# Altium PCB Prototipo1.PcbDoc
Units mm, origin at the board's own origin, x right, y up, seen from the top; angles counter-clockwise.
Board outline 148.59 x 76.2 mm, 2 copper layers (Top Layer, Bottom Layer); 70 components, 159 nets, 376 pads, 0 vias.
Unrouted connection lines stored in the file: 131.
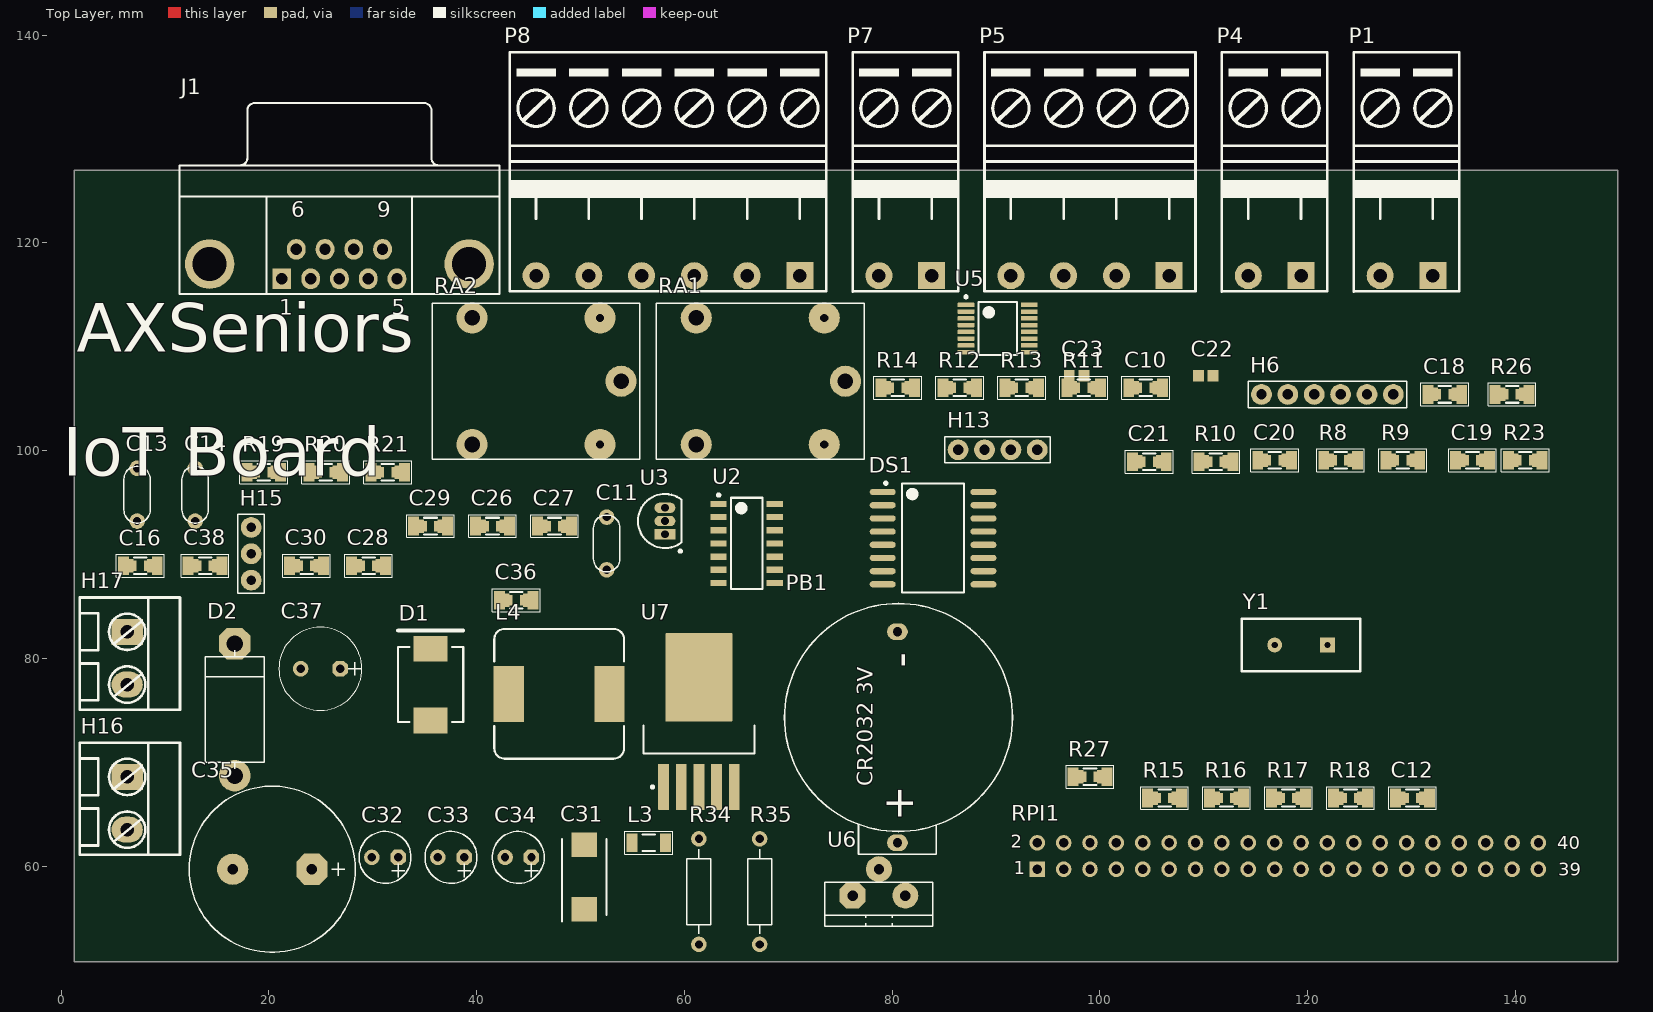
[diagram p0: Top Layer view]
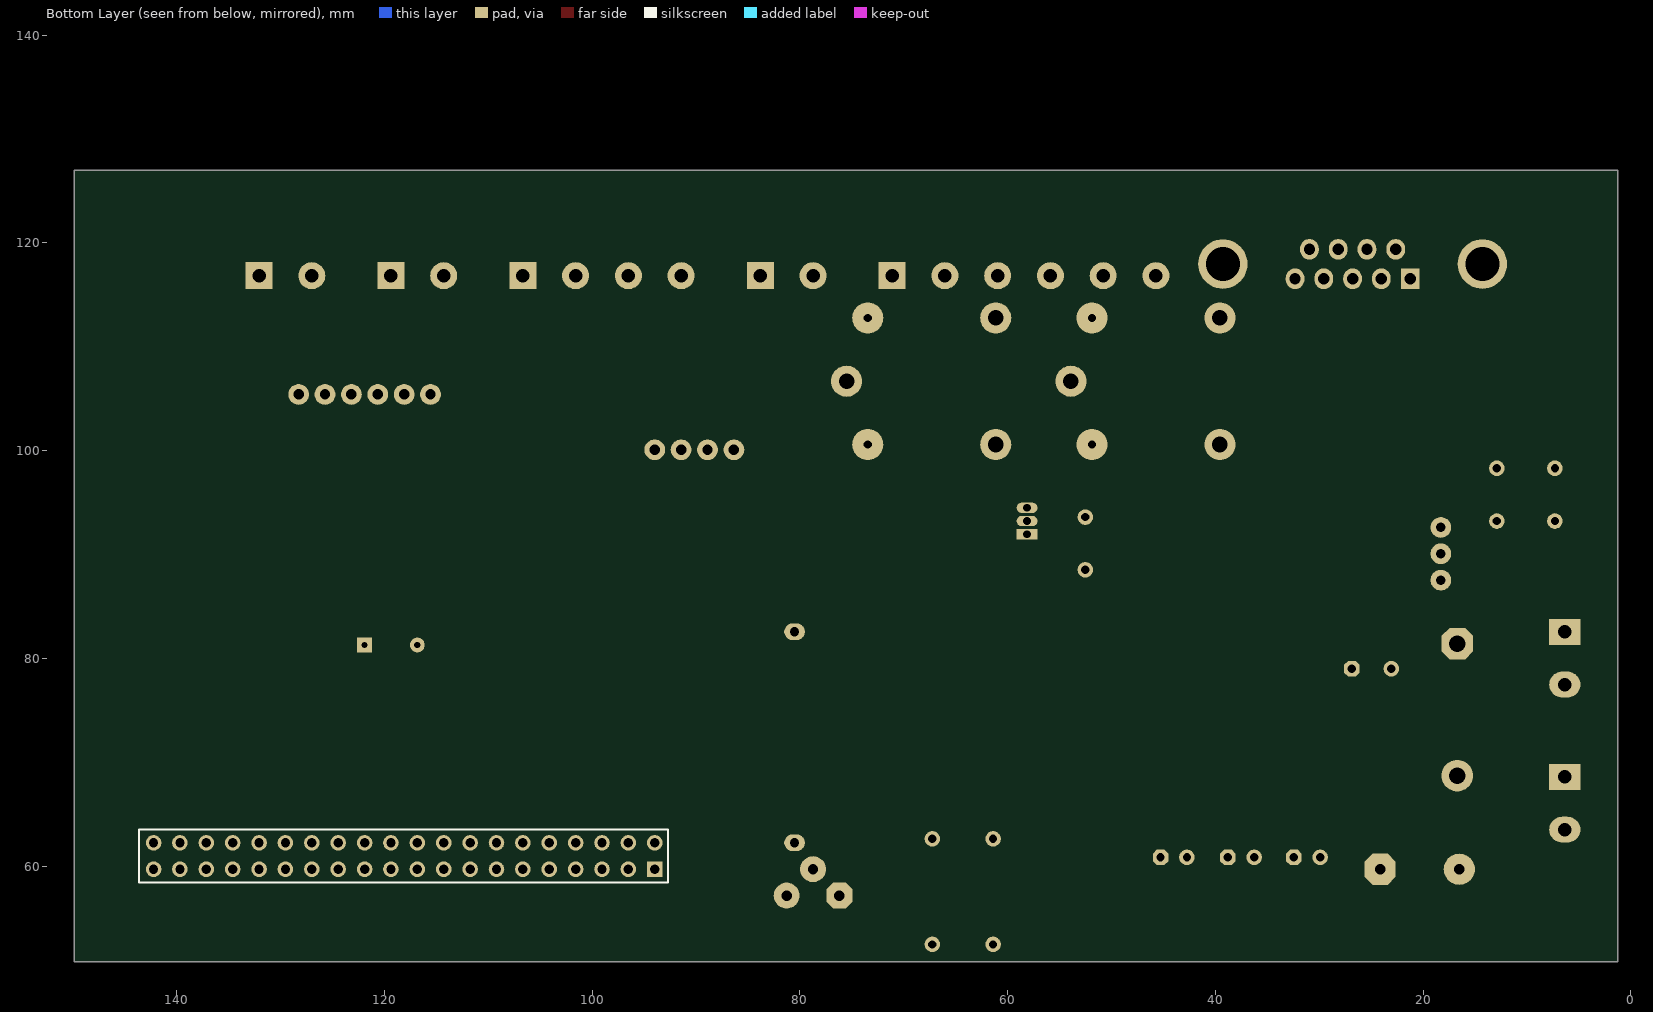
[diagram p1: Bottom Layer view, seen from below]

## Layer stack, top to bottom
Top Solder: solder mask 0.0102, Solder Resist, Dk 3.5
Top Layer: signal copper 0.0356
Dielectric 1: dielectric 0.32, FR-4, Dk 4.8
Bottom Layer: signal copper 0.0356
Bottom Solder: solder mask 0.0102, Solder Resist, Dk 3.5

## Board outline
1.27,50.8 1.27,127 149.86,127 149.86,50.8

## Design rules (kind name [scope] priority, off if disabled: settings)
Clearance "Schematic Clearance Constraint" [InNet('+5RPI')] p1: gap=0.3 ignorepadtopadclearanceinfootprint=FALSE
Clearance [All] p2: gap=0.254 ignorepadtopadclearanceinfootprint=FALSE except(0: Arc-Hole Track-Hole SMDPad-Hole THPad-Hole Via-Hole Fill-Hole Poly-Hole Region-Hole Text-Hole)
PolygonConnect [All] p1: connectstyle=Relief reliefconductorwidth=0.254 reliefentries=4 polygonreliefangle="90 Angle" airgapwidth=0.254
RoomDefinition PowerSupply [InComponentClass('PowerSupply')] p1: confinementstyle=ConfineIn formatcopy=TRUE lockcomponents=FALSE outline 0,53.34 56.642,53.34 56.642,89.535 0,89.535
RoomDefinition MAX3232 [InComponentClass('MAX3232')] p2: confinementstyle=ConfineIn formatcopy=TRUE lockcomponents=FALSE outline 3.744,107.465 81.341,107.465 81.341,141.501 3.744,141.501
RoomDefinition uController [InComponentClass('uController')] p3: confinementstyle=ConfineIn formatcopy=TRUE lockcomponents=FALSE outline 91.948,80.391 161.29,80.391 161.29,119.253 91.948,119.253
RoomDefinition SensorTemperatura [InComponentClass('SensorTemperatura')] p4: confinementstyle=ConfineIn formatcopy=TRUE lockcomponents=FALSE outline 37.622,88.9 89.057,88.9 89.057,101.219 37.622,101.219
RoutingVias [All] p1: holewidth=0.711 width=1.27 viastyle="Through Hole" minholewidth=0.711 minwidth=1.27 maxholewidth=0.711 maxwidth=1.27
SolderMaskExpansion [All] p1: expansion=0.102
Width "Schematic Width Constraint_1" [InNet('+5RPI')] p1: maxlimit=3 minlimit=0.254 preferedwidth=2
Width "Schematic Width Constraint" [InNet('+12')] p2: maxlimit=2 minlimit=0.254 preferedwidth=1
Width [All] p3: maxlimit=0.254 minlimit=0.254 preferedwidth=0.254
30 further rules are at their usual default settings.

## Classes and differential pairs
component class Relay: P8 RA1 RA2
component class PowerSupply: C31 C32 C33 C34 C35 C36 C37 C38 D1 D2 H16 H17 L3 L4 R34 R35 U6 U7
component class MAX3232: C26 C27 C28 C29 C30 H13 H15 J1 U5
component class uController: C23 DS1 H6 P7 PB1 R26 R27 RPI1 Y1
component class SensorTemperatura: C23 R23 U2 U3
component class Sensores: C23 P1 P4 R23

## Components (designator, comment, footprint, x,y, rotation, side; value= is the part's Value field where it differs from the comment)
C10 "0.1uF" SMD_CHIP_CAP_CER_0603_TO_1206 104.42,106.045 r0 top value=0603_1206
C11 "68nF" Cap-Disk-D5.5-R5.08 52.515,91.059 r90 top
C12 "68nF" SMD_CHIP_CAP_CER_0603_TO_1206 130.112,66.548 r0 top value=0603_1206
C13 "390nF" Cap-Disk-D5.5-R5.08 7.303,95.758 r90 top
C14 "180nF" Cap-Disk-D5.5-R5.08 12.891,95.758 r90 top
C16 "180nF" SMD_CHIP_CAP_CER_0603_TO_1206 7.62,88.9 r0 top value=0603_1206
C18 "0.1uF" SMD_CHIP_CAP_CER_0603_TO_1206 133.23,105.41 r0 top value=0603_1206
C19 "0.1uF" SMD_CHIP_CAP_CER_0603_TO_1206 135.89,99.06 r0 top value=0603_1206
C20 "0.1uF" SMD_CHIP_CAP_CER_0603_TO_1206 116.84,99.06 r0 top value=0603_1206
C21 "0.1uF" SMD_CHIP_CAP_CER_0603_TO_1206 104.775,98.933 r0 top value=0603_1206
C22 "VJ0603A150FXACW1BC" CAPC1608X95X40ML15T15 110.212,107.188 r0 top
C23 "VJ0603A150FXACW1BC" CAPC1608X95X40ML15T15 97.766,107.188 r0 top
C26 "0.1uF" SMD_CHIP_CAP_CER_0603_TO_1206 41.527,92.733 r0 top value=0603_1206
C27 "0.1uF" SMD_CHIP_CAP_CER_0603_TO_1206 47.496,92.733 r0 top value=0603_1206
C28 "0.1uF" SMD_CHIP_CAP_CER_0603_TO_1206 29.589,88.923 r0 top value=0603_1206
C29 "0.1uF" SMD_CHIP_CAP_CER_0603_TO_1206 35.558,92.733 r0 top value=0603_1206
C30 "0.1uF" SMD_CHIP_CAP_CER_0603_TO_1206 23.62,88.923 r0 top value=0603_1206
C31 "470uF/10V Tant." SMD_2917 50.355,58.928 r90 top
C32 "10u" El-d5-h11-F2.54 31.178,60.833 r0 top
C33 "10u" El-d5-h11-F2.54 37.529,60.833 r0 top
C34 "1u" El-d5-h11-F2.54 44.005,60.833 r0 top
C35 "220u/25V" El-d16-h26-F7.62 20.32,59.69 r0 top
C36 "0.022uF" SMD_CHIP_CAP_CER_0603_TO_1206 43.815,85.598 r0 top value=0603_1206
C37 "470uF 35V" El-d8-h14-F3.81 24.956,78.994 r0 top
C38 "0.22uF" SMD_CHIP_CAP_CER_0603_TO_1206 13.85,88.9 r0 top value=0603_1206
D1 "B550C-13-F" DIOD-SMC-2-A_V 35.56,77.47 r90 top
D2 "SR560" DO-201-500 16.701,75.057 r90 top
DS1 "DS3231 16-SOIC" SOIC127P1030X265-16N 83.947,91.567 r0 top
H6 "H-1x6" J1x6 121.92,105.41 r0 top
H13 "H-1x4" J1x4 90.17,100.076 r180 top
H15 "H-1x3" J1x3 18.286,90.066 r90 top
H16 "MKDS 1,5 2-5,08" "MKDS 1,5 2-5,08" 6.35,68.58 r0 top
H17 "MKDS 1,5 2-5,08" "MKDS 1,5 2-5,08" 6.35,82.55 r0 top
J1 "D Connector 9" DB9-HEMBRA 26.785,127.46 r0 top
L3 "FB 1206 600 ohms 100MHZ 600R 1.5A" SMD_CHIP_FERRITE_1206 56.578,62.23 r0 top value=1206
L4 "33uH 3.2A 1280" BOUR-SRR1280-2_V 47.943,76.581 r0 top
P1 "B.desmont.2Pins" KF2EDGV/R-2P 132.08,116.84 r180 top
P4 "B.desmont.2Pins" KF2EDGV/R-2P 119.38,116.84 r180 top
P5 "RTD PT100" KF2EDGV/R-4P 106.68,116.84 r180 top
P7 "B.desmont.2Pins" KF2EDGV/R-2P 83.82,116.84 r180 top
P8 "Header 6" KF2EDGV/R-6P 71.12,116.84 r180 top
PB1 "CR2032_Holder" CR2032 80.518,72.898 r90 top
R8 "25K" SMD_CHIP_RESISTOR_0603_TO_1206 123.19,99.06 r0 top value=0603_1206
R9 "25K" SMD_CHIP_RESISTOR_0603_TO_1206 129.185,99.06 r0 top value=0603_1206
R10 "25K" SMD_CHIP_RESISTOR_0603_TO_1206 111.188,98.933 r0 top value=0603_1206
R11 "2.5K" SMD_CHIP_RESISTOR_0603_TO_1206 98.451,106.045 r0 top value=0603_1206
R12 "25K" SMD_CHIP_RESISTOR_0603_TO_1206 86.513,106.045 r0 top value=0603_1206
R13 "25K" SMD_CHIP_RESISTOR_0603_TO_1206 92.482,106.045 r0 top value=0603_1206
R14 "1K" SMD_CHIP_RESISTOR_0603_TO_1206 80.544,106.045 r0 top value=0603_1206
R15 "100K" SMD_CHIP_RESISTOR_0603_TO_1206 106.236,66.548 r0 top value=0603_1206
R16 "100K" SMD_CHIP_RESISTOR_0603_TO_1206 112.205,66.548 r0 top value=0603_1206
R17 "17.4K" SMD_CHIP_RESISTOR_0603_TO_1206 118.174,66.548 r0 top value=0603_1206
R18 "107K" SMD_CHIP_RESISTOR_0603_TO_1206 124.143,66.548 r0 top value=0603_1206
R19 "49.9K" SMD_CHIP_RESISTOR_0603_TO_1206 19.495,97.917 r0 top value=0603_1206
R20 "3.09K" SMD_CHIP_RESISTOR_0603_TO_1206 25.464,97.917 r0 top value=0603_1206
R21 "20K" SMD_CHIP_RESISTOR_0603_TO_1206 31.433,97.917 r0 top value=0603_1206
R23 "100 Ohm" SMD_CHIP_RESISTOR_0603_TO_1206 140.97,99.06 r0 top value=0603_1206
R26 "2.2K" SMD_CHIP_RESISTOR_0603_TO_1206 139.7,105.41 r0 top value=0603_1206
R27 "10K" SMD_CHIP_RESISTOR_0603_TO_1206 99.06,68.58 r0 top value=0603_1206
R34 "1 Ohm" R0.25-400 61.404,57.531 r90 top
R35 "1 Ohm" R0.25-400 67.246,57.531 r90 top
RA1 "RAS" "Rele RAS" 67.31,106.68 r180 top
RA2 "RAS" "Rele RAS" 45.72,106.68 r180 top
RPI1 "RPI GPIO Connector" rpi 118.11,60.96 r180 top
U2 "LMV324IDR" D0014A_V 66.007,91.059 r0 top
U3 "LM385Z-2.5/NOPB" Z03A 58.133,93.218 r0 top
U5 "MAX3232CSE+" PW0016A_M 90.17,111.76 r0 top
U6 "7805" "TO220-1A 2.54" 78.74,57.15 r180 top
U7 "LM2596S-5.0/NOPB" KTT0005B_M 61.405,73.914 r90 top
Y1 "CRYSTAL_PTH_16MHz" "Crystal PTH HC49LT, THT, 16MHz" 121.92,81.28 r180 top

## Footprints (in the part's own frame and the unit in brackets; to place one, negate y for a bottom-side part, rotate by r counter-clockwise, add the part's x,y. Pads: shape width x height; smd on the part's side, far side on the other; paste and mask are expansions set on the pad)
BOUR-SRR1280-2_V [mm] "SMD, 2-Leads, Body 12.5x12.5mm"
  rect 2.9x5.4 smd: 1(-4.85,0) 2(4.85,0)
  silkscreen extent -6.25,-6.25 6.25,6.25, body extent -6.25,-6.25 6.25,6.25, height 7.51
Cap-Disk-D5.5-R5.08 [mm]
  round 1.5 hole 0.8: 1(-2.54,0) 2(2.54,0)
  silkscreen extent -2.73,-1.27 2.73,1.27, body extent -2.73,-1.27 2.73,1.27, height 7.62
CAPC1608X95X40ML15T15 [mm] "Chip Capacitor, 2-Leads, Body 1.60x0.80mm, IPC Low Density"
  rect 1.05x1.1 smd: 1(-0.7,0) 2(0.7,0)
  body extent -0.88,-0.48 0.87,0.47, height 0.95
CR2032 [mm] "Zocket"
  oval 1.6x2 hole 0.9: 1(-10.66,0) 2(9.66,0)
  silkscreen extent -11.75,-11.08 12.38,10.88, body extent -11.6,-11 12.9,11, height 8.51
"Crystal PTH HC49LT, THT, 16MHz" [mil] "Low profile TH"
  rect 56x56 hole 23.62: 1(0,0)
  round 56 hole 23.62: 2(200,0)
  silkscreen extent -125,-100 325,100, body extent -121,-92 326,92, height 142
D0014A_V [mm] "SOIC, 14-Leads, Body 8.75x4mm, Pitch 1.27mm"
  rect 1.55x0.6 smd: 1(-2.7,3.81) 2(-2.7,2.54) 3(-2.7,1.27) 4(-2.7,0) 5(-2.7,-1.27) 6(-2.7,-2.54) 7(-2.7,-3.81) 8(2.7,-3.81) 9(2.7,-2.54) 10(2.7,-1.27) 11(2.7,0) 12(2.7,1.27) 13(2.7,2.54) 14(2.7,3.81)
  silkscreen extent -2.82,-4.4 1.53,4.78, body extent -3,-4.4 3,4.4, height 1.75
DB9-HEMBRA [mm] "Connector; D Subminiature; 9 Position; Right Angle; Pitch 1.385 mm"
  rect 1.8x2 hole 1.09: 1(-5.54,-10.92)
  oval 1.8x2 hole 1.09: 2(-2.77,-10.92) 3(0,-10.92) 4(2.77,-10.92) 5(5.54,-10.92) 6(-4.155,-8.08) 7(-1.385,-8.08) 8(1.385,-8.08) 9(4.155,-8.08)
  round 4.76 hole 3.26: 10(-12.495,-9.5) 11(12.495,-9.5)
  silkscreen extent -15.4,-12.4 15.4,6, body extent -15.44,-12.32 15.37,5.98, height 12.29
DIOD-SMC-2-A_V [mm] "Molded Diode, 2-Leads, Body 7.11 x 6.22 mm"
  rect 2.5x3.3 smd: 1(-3.45,0) 2(3.45,0)
  silkscreen extent -3.6,-3.15 5.2,3.15, body extent -3.77,-3.11 3.77,3.11, height 2.5
DO-201-500 [mil]
  round 120 hole 62: 1(-250,0)
  oct 120x120 hole 62: 2(250,0)
  silkscreen extent -225,-111 225,111, body extent -276,-111 276,111, height 229
El-d5-h11-F2.54 [mm]
  oct 1.5x1.5 hole 0.8: 1(1.27,0)
  round 1.5 hole 0.8: 2(-1.27,0)
  silkscreen extent -2.5,-2.5 2.5,2.5, body extent -2.5,-2.5 2.55,2.55, height 11.53
El-d8-h14-F3.81 [mm]
  oct 1.5x1.5 hole 0.8: 1(1.905,0)
  round 1.5 hole 0.8: 2(-1.905,0)
  silkscreen extent -4,-4 4,4, body extent -4,-4 4.05,4.05, height 14.53
El-d16-h26-F7.62 [mm]
  oct 3x3 hole 1: 1(3.81,0)
  round 3 hole 1: 2(-3.81,0)
  silkscreen extent -8,-8 8,8, body extent -8,-7.98 8.08,7.97, height 26.58
J1x3 [mm]
  round 2 hole 0.9: 1(-2.54,0) 2(0,0) 3(2.54,0)
  silkscreen extent -3.81,-1.27 3.81,1.27, body extent -3.81,-1.27 3.81,1.27, height 10.1
J1x4 [mm]
  round 2 hole 1: 1(-3.81,0) 2(-1.27,0) 3(1.27,0) 4(3.81,0)
  silkscreen extent -5.08,-1.27 5.08,1.27, body extent -5.08,-1.27 5.08,1.27, height 10.1
J1x6 [mm]
  round 2 hole 1: 1(-6.35,0) 2(-3.81,0) 3(-1.27,0) 4(1.27,0) 5(3.81,0) 6(6.35,0)
  silkscreen extent -7.62,-1.27 7.62,1.27, body extent -7.62,-1.27 7.62,1.27, height 10.1
KF2EDGV/R-2P [mm]
  rect 2.6x2.6 hole 1.3: 1(0,0)
  round 2.6 hole 1.3: 2(5.08,0)
  silkscreen extent -2.63,-21.5 7.62,1.52, body extent -3.29,-21.59 8.37,-2.39, height 15.01
KF2EDGV/R-4P [mm]
  rect 2.6x2.6 hole 1.3: 1(0,0)
  round 2.6 hole 1.3: 2(5.08,0) 3(10.16,0) 4(15.24,0)
  silkscreen extent -2.63,-21.5 17.87,1.5, body extent -3.29,-21.59 18.53,-2.39, height 15.01
KF2EDGV/R-6P [mm]
  rect 2.6x2.6 hole 1.3: 1(0,0)
  round 2.6 hole 1.3: 2(5.08,0) 3(10.16,0) 4(15.24,0) 5(20.32,0) 6(25.4,0)
  silkscreen extent -2.63,-21.5 27.94,1.5, body extent -3.29,-21.59 28.69,-2.39, height 15.01
KTT0005B_M [mm] "DPAK, 5-Leads, Body 10.65x9.65mm, Pitch 1.7mm, IPC Low Density"
  rrect10% 4.45x1.05 smd: 1(-6.3,3.4) 2(-6.3,1.7) 3(-6.3,0) 4(-6.3,-1.7) 5(-6.3,-3.4)
  rrect2% 8.5x6.45 smd: 6(4.25,0)
  silkscreen extent -6.42,-5.35 -0.4,5.35, body extent -3.1,-5.32 6.55,5.33, height 4.83
"MKDS 1,5 2-5,08" [mm] "PCB terminal block, nominal current: 17.5 A, nom. voltage: 400 V, pitch: 5.08 mm"
  rect 3x2.5 hole 1.3: 1(0,0)
  oval 3x2.5 hole 1.3: 2(0,-5.08)
  silkscreen extent -4.57,-7.49 5.08,3.3, body extent -4.6,-7.62 5.2,3.28, height 14.21
PW0016A_M [mm] "SOP, 16-Leads, Body 5.1x4.5mm, Pitch 0.65mm, IPC Low Density"
  rrect22% 1.6x0.45 smd: 1(-3.05,2.275) 2(-3.05,1.625) 3(-3.05,0.975) 4(-3.05,0.325) 5(-3.05,-0.325) 6(-3.05,-0.975) 7(-3.05,-1.625) 8(-3.05,-2.275) 9(3.05,-2.275) 10(3.05,-1.625) 11(3.05,-0.975) 12(3.05,-0.325) 13(3.05,0.325) 14(3.05,0.975) 15(3.05,1.625) 16(3.05,2.275)
  silkscreen extent -3.17,-2.55 1.85,3.17, body extent -3.21,-2.5 3.21,2.5, height 1
R0.25-400 [mm]
  round 1.5 hole 0.8: 1(-5.08,0) 2(5.08,0)
  silkscreen extent -4.06,-1.15 4.06,1.15, body extent -5.38,-1.15 5.38,1.15, height 2.3
"Rele RAS" [mm]
  round 3 hole 0.8: 1(-6.159,-6.096) 2(-6.16,6.096)
  round 3 hole 1.5: 3(6.159,6.096) 4(-8.191,0) 5(6.16,-6.096)
  silkscreen extent -10,-7.5 10,7.5, body extent -10,-7.5 10,7.5, height 15.25
rpi [mm]
  rect 1.5x1.5 hole 0.9: 1(24.13,1.27)
  round 1.5 hole 0.9: 2(24.13,-1.27) 3(21.59,1.27) 4(21.59,-1.27) 5(19.05,1.27) 6(19.05,-1.27) 7(16.51,1.27) 8(16.51,-1.27) 9(13.97,1.27) 10(13.97,-1.27) 11(11.43,1.27) 12(11.43,-1.27) 13(8.89,1.27) 14(8.89,-1.27) 15(6.35,1.27) 16(6.35,-1.27) 17(3.81,1.27) 18(3.81,-1.27) 19(1.27,1.27) 20(1.27,-1.27) 21(-1.27,1.27) 22(-1.27,-1.27) 23(-3.81,1.27) 24(-3.81,-1.27) 25(-6.35,1.27) 26(-6.35,-1.27) 27(-8.89,1.27) 28(-8.89,-1.27) 29(-11.43,1.27) 30(-11.43,-1.27) 31(-13.97,1.27) 32(-13.97,-1.27) 33(-16.51,1.27) 34(-16.51,-1.27) 35(-19.05,1.27) 36(-19.05,-1.27) 37(-21.59,1.27) 38(-21.59,-1.27) 39(-24.13,1.27) 40(-24.13,-1.27)
  body extent -25.52,-2.63 25.53,2.38, height 8.5
SMD_2917 [mm] "Tantalum Capacitors - Solid SMD    Length 7.3 mm"
  rect 2.35x2.45 smd: 1(-3.1,0) 2(3.1,0)
  silkscreen extent -4.28,-2.15 3.65,2.15, body extent -3.65,-2.15 3.65,2.15, height 3.1
SMD_CHIP_CAP_CER_0603_TO_1206 [mm] "SMD_CHIP_CAP_CER_0603_TO_1206"
  rect 1.05x1.8 smd: 1(-1.625,0) 2(1.625,0)
  rect 1x1.3 smd: 1(-1.15,0) 2(1.15,0)
  rect 0.95x1 smd: 1(-0.825,0) 2(0.825,0)
  silkscreen extent -2.3,-1.1 2.3,1.1, body extent -1.6,-0.8 1.6,0.8, height 0.94
SMD_CHIP_FERRITE_1206 [mm] "SMD_CHIP_FERRITE_1206"
  rect 1.05x1.8 smd: 1(-1.625,0) 2(1.625,0)
  silkscreen extent -2.3,-1.1 2.3,1.1, body extent -1.6,-0.8 1.6,0.8, height 1.1
SMD_CHIP_RESISTOR_0603_TO_1206 [mm] "SMD_CHIP_RESISTOR_0603_TO_1206"
  rect 1.05x1.8 smd: 1(-1.625,0) 2(1.625,0)
  rect 1x1.3 smd: 1(-1.15,0) 2(1.15,0)
  rect 0.95x1 smd: 1(-0.825,0) 2(0.825,0)
  silkscreen extent -2.3,-1.1 2.3,1.1, body extent -1.57,-0.8 1.63,0.8, height 0.6
SOIC127P1030X265-16N [mm] "SOIC, 16-Leads, Body 10.5x7.5mm (max), Pitch 1.27mm, IPC Medium Density"
  oval 2.5x0.6 smd: 1(-4.85,4.445) 2(-4.85,3.175) 3(-4.85,1.905) 4(-4.85,0.635) 5(-4.85,-0.635) 6(-4.85,-1.905) 7(-4.85,-3.175) 8(-4.85,-4.445) 9(4.85,-4.445) 10(4.85,-3.175) 11(4.85,-1.905) 12(4.85,-0.635) 13(4.85,0.635) 14(4.85,1.905) 15(4.85,3.175) 16(4.85,4.445)
  silkscreen extent -4.67,-5.25 3,5.42, body extent -5.34,-5.25 5.29,5.25, height 2.56
"TO220-1A 2.54" [mm]
  round 2.5 hole 1: 1(-2.54,0) 2(0,-2.54)
  oct 2.5x2.5 hole 1: 3(2.54,0)
  silkscreen extent -5.2,-1.27 5.2,2.95, body extent -5.2,-2.79 5.2,2.95, height 23.29
Z03A [mm] "TO, Flat Index; 3 In-Line, Axial Leads; Body Dia. 5mm; Leads 0.55 x 0.50 mm (max)"
  rect 2x1 hole 0.75: 1(0,-1.27)
  oval 2x1 hole 0.75: 2(0,0) 3(0,1.27)
  silkscreen extent -2.6,-3.02 1.61,2.6, body extent -2.6,-2.61 1.6,2.61, height 5.2

## Part data
C10 C12 C16 C18 C19 C20 C21 C26 C27 C28 C29 C30 C36 C38: library part SMD_CHIP_CAP_CER_0603_TO_1206, "SMD_CHIP_CAP_CER_0603_TO_1206"
C11 C13 C14: library part "Cer Disc HV 820p 1kV", "820p 1kV Y5P", Price=0.072, Tip="Suntan 820pF 1kV Y5P"
C22 C23: library part CMP-2006-01814-1, Manufacturer=Vitramon, Part Number=VJ0603A150FXACW1BC
C31: library part SMD_2917, "T495X477K010ATE100", Manufacturer_Name=Kemet, Mouser Part Number=80-T495X477K10ATE100, RS Part Number=8015530P, Allied_Number=70610894, Allied Price/Stock=https://www.alliedelec.com/kemet-t495x477k010ate100/70610894/, Datasheet Link=http://www.kemet.com/Lists/ProductCatalog/Attachments/261/KEM_T2009_T495.pdf, Height=3.1mm, Manufacturer_Part_Number=T495X477K010ATE100, Mouser Price/Stock=https://www.mouser.com/Search/Refine.aspx?Keyword=80-T495X477K10ATE100, RS Price/Stock=http://uk.rs-online.com/web/p/products/8015530P
C32 C33 C34: library part 10u-35V, "35V", Price=0.04
C35: library part 2200u-25V-105F, "25V 105C 36m 2.1A", Price=0.45
C37: library part 470u-25V, "25V", Price=0.15
D1: library part CMP-2000-05906-1, "Schottky Barrier Rectifier / , 50 V, 5 A, -55 to 150 degC, 2-Pin SMD, RoHS, Tape and Reel", If - Forward Current=5A, Ifsm - Forward Surge Current=100A, Ir - Reverse Current=500uA, Manufacturer=DiodesIncorporated, Maximum Operating Temperature=+125C, Minimum Operating Temperature=-55C, Operating Temperature Range=-55Cto+125C, Package / Case=SMC, Package Description="2-Pin Surface Mount Device, Body 6.855 x 5.905 mm", Vf - Forward Voltage=0.7V, Vrrm - Repetitive Reverse Voltage=50V, Brand=DiodesIncorporated, Configuration=Single, Datasheet URL=http://www.diodes.com/_files/datasheets/ds13012.pdf, Datasheet Version="Rev. 17-2, 07/2015", Factory Pack Quantity=3000, Height=2.5mm, Length=7.11mm, Manufacturer URL=http://www.diodes.com/, Mounting Style=SMD/SMT, Mounting Technology=SurfaceMount, Package Reference=SMC, Packaging=Reel, Product=SchottkyDiodes, Product Category=SchottkyDiodes&Rectifiers, RoHS=True, Series=B550, Technology=Si, Termination Style=SMD/SMT, Type=SchottkyBarrierRectifier, Unit Weight=0.007408oz, Width=6.22mm
D2: library part 1N5400, "100V 3A", Price=0.12
DS1: library part DS3231, "SOIC, 16-Leads, Body 10.5x7.5mm (max), Pitch 1.27mm, IPC Medium Density"
H16 H17: "PCB terminal block, nominal current: 17.5 A, nom. voltage: 400 V, pitch: 5.08 mm"
J1: "Receptacle Assembly, 9 Position, Right Angle", PackageDocument=O, DatasheetDocument=1-Sep-1999, Gender=Receptacle, LatestRevisionDate=17-Jul-2002, LatestRevisionNote="Re-released for DXP Platform.", Orientation="Right Angle", PackageReference=788750, Positions=9, Published=15-Jun-2001, Publisher="Altium Limited"
L3: library part CHIP_FERRITE_BEAD_INDUCTOR_1206, "Chip Ferrite Bead Inductor"
L4: library part CMP-2000-07148-1, "Shielded SMD Power Inductor, 33 uH, +/- 20%, -40 to 125 degC, 2-Pin SMD, RoHS, Tape and Reel", DC Current Max=3.5A, DC Resistance Max=57MOhm, Inductance=33000nH, Manufacturer=Bourns, Maximum DC Resistance=57mO, Maximum Operating Temperature=+125°C, Maximum Self Resonant Frequency=9.5MHz, Minimum Operating Temperature=-40°C, Package Description="2-Pin Surface Mount Device, Body 12.5 x 12.5 mm", Package Reference=SRR1280-2, PartNumber=SRR1280, Tolerance=20%, Core Material=Ferrite, Datasheet URL=http://www.bourns.com/docs/Product-Datasheets/SRR1280.pdf, Datasheet Version="Rev. 03/15, 03/2015", Manufacturer URL=http://www.bourns.com/, Maximum DC Current=3.5A, Minimum Quality Factor=28, Mounting Technology=SurfaceMount, Package URL=http://www.bourns.com/docs/Product-Datasheets/SRR1280.pdf, Series=SRR1280
P1 P4 P7: library part "Header 2", "Header, 2-Pin", LatestRevisionDate=17-Jul-2002, LatestRevisionNote="Re-released for DXP Platform.", Publisher="Altium Limited"
P5: library part "Header 4", "Header, 4-Pin", LatestRevisionDate=17-Jul-2002, LatestRevisionNote="Re-released for DXP Platform.", Publisher="Altium Limited"
P8: "Header, 6-Pin", LatestRevisionDate=17-Jul-2002, LatestRevisionNote="Re-released for DXP Platform.", Publisher="Altium Limited"
R8 R9 R10 R11 R12 R13 R14 R15 R16 R17 R18 R19 R20 R21 R23 R26 R27: library part SMD_CHIP_RESISTOR_0603_TO_1206, "SMD_CHIP_RESISTOR_0603_TO_1206"
R34 R35: library part R-0.25W, "0.25W 5% 250V", Price=0.01
RA1 RA2: library part "Relay RAS", "AC-120V 15A DC-14V 20A 30V 15A /0.36W", Price=1.8
RPI1: library part "rpi connector", "GPIO Header for Raspberry Pi A+/B+/Pi 2/Pi 3 - 2x20", Manufacturer="SparkFun Electronics", Manufacturer Part Number=PRT-14017, Supplier Part Number 1=1568-1462-ND, Accessory Type=Connector, Category="Development Boards, Kits, Programmers", ComponentLink1Description=https://cdn.sparkfun.com/datasheets/Dev/RaspberryPi/12313.pdf, ComponentLink1URL=https://cdn.sparkfun.com/datasheets/Dev/RaspberryPi/12313.pdf, For Use With/Related Products="Raspberry Pi", Nils Minor=author, nilsminor@web.de=mail, Part Status=Active, Pricing 1="1=1.84 (EUR)", RoHS="RoHS Compliant", Stock 1=150, Supplier 1=Digi-Key
U2: library part CMP-1685-00010-1, "Quad Low-Voltage Rail-to-Rail Output Operational Amplifier, 2.7 to 5.5 V, -40 to 125 degC, 14-Pin SOIC (D), Green (RoHS & no Sb/Br), Tape and Reel", Code_JEDEC=MS-012, ComponentLink1Description="Manufacturer URL", ComponentLink1URL=http://www.ti.com/, ComponentLink2Description=Datasheet, ComponentLink2URL=http://www.ti.com/lit/ds/symlink/lmv324.pdf, ComponentLink3Description="Package Specification", ComponentLink3URL=http://www.ti.com/lit/ml/mpds177g/mpds177g.pdf, DatasheetVersion="SLOS263W, 10/2014", PackageDescription="14-Pin Small Outline Integrated Circuit, Body 8.65 x 3.9 mm, Pitch 1.27 mm", PackageReference=D0014A
U3: library part CMP-0074-00017-2, "Micropower Voltage Reference Diode, 3-pin TO-92, Pb-Free", Manufacturer="National Semiconductor", PackageTopMarking=NSXYTT*LM385*Z2.5, PowerWise=N, Code_JEDEC=TO-226-AA, ComponentLink1Description="LM385-2.5 Datasheet", ComponentLink1URL=http://www.national.com/ds/LM/LM385-2.5.pdf, ComponentLink2Description="LM385-2.5 Web Page", ComponentLink2URL=http://www.national.com/pf/LM/LM385-2.5.html, ComponentLink3Description="Z03A Package Page", ComponentLink3URL=http://www.national.com/packaging/folders/z03a.html, CompType="Voltage Reference IC", DatasheetVersion=Jan-2008, PackageDescription="TO-92, Molded, 3 Lead", PackageReference=Z03A, PackageVersion="revG, Sep-2000", PinCount=3, RevisionNote="Component URLs added", RoHS=Y
U5: library part CMP-2000-04955-1, "Low-Power, True RS-232 Transceivers Using Four 0.1 uF External Capacitors, 3.0 to 5.5 V, up to 1 Mbps, 0 to70 degC, 16-Pin SOIC (S16-1), RoHS, Tube", Current, Supply="300 / µA", Manufacturer=Maxim, Maximum Operating Temperature="+70 / degC", Minimum Operating Temperature="0 / degC", Operating Temperature Range="0to+70 / degC", Package Description="16-Pin Small Outline Package Integrated Circuit, Body 5 x 4.4 mm, Pitch 0.65 mm", Package Reference=PW16, Package Type=SOIC, Power Supply Type=Single, Temperature, Operating="0to70 / degC", Typical Single Supply Voltage="3to5.5 / V", Voltage, Supply="3-5.5 / V", Data Rate="235 / kbit/s", Datasheet URL=https://datasheet.ciiva.com/22828/0900766b810e26b2-22828287.pdf, Datasheet Version="Rev. 7, 01/2007", Dimensions="10x4x1.5 / mm", Height="1.5 / mm", Interface Standards=EIA/TIA-562,EIA/TIA-232,RS-232, Length="10 / mm", Manufacturer URL=http://www.maximintegrated.com/, Mounting Type=SurfaceMount, Number of Drivers per Line=1, Number of Receivers=2(RS-232), Number of Receivers per Line=1, Number of Transmitters=2(RS-232), Pin Count=16, Primary Type=Transceivers, Receiver Signal Type=SingleEnded, Transceiver Type=Line, Transmitter Signal Type=SingleEnded, Type=RS-232, Width="4 / mm"
U7: library part CMP-0069-00269-3, "SIMPLE SWITCHER® Power Converter 150 KHz 3A Step-Down Voltage Regulator, 5-pin TO-263, Pb-Free", Manufacturer="Texas Instruments", PackageTopMarking="NSUZXYTTE#*LM2596S*-5.0 P+", PowerWise=N, Code_JEDEC=MO-169-AB, ComponentLink1Description="Datasheet URL", ComponentLink1URL=http://www.ti.com/general/docs/lit/getliterature.tsp?genericPartNumber=LM2596&fileType=pdf, CompType=Switcher, PackageDescription="TO-263, Molded, .400 x .390 x .180in, 5 Lead, .067in Pitch, Surface Mount", PackageReference=KTT0005B, PinCount=5, RoHS=Y
H6: Price=0.06
H13: Price=0.04
H15: Price=0.03
U6: Price=0.312

## Nets (pads, with @x,y where several pads share a name; then routed paths per layer and width w, separated by ;. In a path a pad name is that pad's centre, name@x,y a point inside that pad or via, vN(x,y) a via of type N, cw(c..) or ccw(c..) an arc to the next point about the centre after c; other vN are vias at no path point)
2.5V: C10.2 R10.1 R13.2 U3.2
+3.3V_RPI: RPI1.1
+5f: C18.1 C19.1 C31.1 DS1.2 L3.2 R10.2 R26.2 R27.2 U2.4
+5RPI: C37.1 C38.2 H17.2 L4.2 U7.4
+5V_RPI: RPI1.4
+12: C32.1 C35.1 C36.2 H16.1 R34.1 U7.1
+12V: RA1.1 RA2.1
ADS1115_AIN0: P1.1
ADS1115_AIN1: P1.2
ADS1115_AIN2: 
ADS1115_AIN3: 
AVR_INPUT1: 
AVR_MISO: 
AVR_MOSI: 
AVR_RESET: C21.2 R27.1
AVR_SCK: 
GND: C10.1 C13.2 C14.2 C16.1 C18.2 C19.2 C20.2 C21.1 C22.1 C23.1 C29.2 C30.2 C31.2 C32.2 C33.2 C34.2 C35.2 C36.1 C37.2 C38.1 D1.1 D2.1 DS1.5 DS1.6 DS1.7 DS1.8 DS1.9 DS1.10 DS1.11 DS1.12 DS1.13 H16.2 H17.1 J1.5 P4.2 P5.1 P7.2 PB1.2 R9.2 R20.1 RPI1.6 RPI1.39 U2.11 U3.3 U5.15 U6.2 U7.3 U7.5 U7.6
LM2596_OUT: D1.2 D2.2 L4.1 U7.2
NetC1_1: 
NetC1_2: 
NetC2_1: 
NetC4_2: 
NetC5_2: 
NetC6_1: 
NetC11_1: C11.1 C12.2 R14.1
NetC11_2: C11.2 C12.1 C13.1 R17.2 R18.1
NetC14_1: C14.1 C16.2 R18.2 U2.12
NetC17_2: R23.1
NetC20_1: C20.1
NetC22_2: C22.2 Y1.2
NetC23_2: C23.2 Y1.1
NetC26_1: C26.1 U5.1
NetC26_2: C26.2 U5.3
NetC27_1: C27.1 U5.4
NetC27_2: C27.2 U5.5
NetC28_1: C28.1 U5.2
NetC28_2: C28.2 C30.1 U5.16
NetC29_1: C29.1 U5.6
NetC33_1: C33.1 R34.2 R35.1
NetC34_1: C34.1 R35.2 U6.1
NetD3_1: RA1.2
NetD4_1: RA2.2
NetDS1_1: DS1.1
NetDS1_3: DS1.3
NetDS1_4: DS1.4
NetH1_1: R19.1
NetH1_2: P5.2
NetH1_3: R23.2
NetH2_1: 
NetH2_2: 
NetH4_1: 
NetH4_2: 
NetH5_2: 
NetH6_3: H6.3
NetH6_4: H6.4
NetH6_5: H6.5
NetH6_6: H6.6
NetH11_2: RPI1.2
NetH13_1: H13.1 U5.9
NetH13_2: H13.2 U5.10
NetH13_3: H13.3 U5.12
NetH13_4: H13.4 U5.11
NetH14_1: U5.8
NetH14_2: U5.7
NetH15_1: H15.1
NetH15_2: H15.2
NetH15_3: H15.3
NetJ1_1: J1.1
NetJ1_2: J1.2 U5.14
NetJ1_3: J1.3 U5.13
NetJ1_4: J1.4
NetJ1_6: J1.6
NetJ1_7: J1.7
NetJ1_8: J1.8
NetJ1_9: J1.9
NetJ1_10: J1.10
NetJ1_11: J1.11
NetL3_1: L3.1 U6.3
NetLD1_1: 
NetMH1_1: 
NetMH2_1: 
NetMH3_1: 
NetMH4_1: 
NetP3_3: 
NetP4_1: P4.1
NetP5_3: P5.3 R15.1
NetP5_4: P5.4 R11.1 U2.5
NetP7_1: P7.1
NetP8_1: P8.1 RA1.3
NetP8_2: P8.2 RA1.4
NetP8_3: P8.3 RA1.5
NetP8_4: P8.4 RA2.3
NetP8_5: P8.5 RA2.4
NetP8_6: P8.6 RA2.5
NetQ1_2: 
NetQ2_2: 
NetR2_2: 
NetR8_1: R8.1 R11.2 U2.1
NetR8_2: R8.2 R9.1 U2.2
NetR12_1: R12.1 U2.6 U2.7
NetR12_2: R12.2 R13.1 U2.3
NetR15_2: R15.2 R16.1 U2.9
NetR16_2: R16.2 R17.1 U2.8
NetR19_2: R19.2 U2.10
NetR20_2: R20.2 R21.1 U2.13
NetRPI1_3: RPI1.3
NetRPI1_5: RPI1.5
NetRPI1_7: RPI1.7
NetRPI1_9: RPI1.9
NetRPI1_11: RPI1.11
NetRPI1_12: RPI1.12
NetRPI1_13: RPI1.13
NetRPI1_14: RPI1.14
NetRPI1_15: RPI1.15
NetRPI1_16: RPI1.16
NetRPI1_17: RPI1.17
NetRPI1_18: RPI1.18
NetRPI1_20: RPI1.20
NetRPI1_22: RPI1.22
NetRPI1_25: RPI1.25
NetRPI1_26: RPI1.26
NetRPI1_27: RPI1.27
NetRPI1_28: RPI1.28
NetRPI1_29: RPI1.29
NetRPI1_30: RPI1.30
NetRPI1_31: RPI1.31
NetRPI1_32: RPI1.32
NetRPI1_33: RPI1.33
NetRPI1_34: RPI1.34
NetRPI1_35: RPI1.35
NetRPI1_36: RPI1.36
NetRPI1_37: RPI1.37
NetRPI1_38: RPI1.38
NetRPI1_40: RPI1.40
NetU3_1: U3.1
PT100_AN_READ: 
RELAY1: H6.1
RELAY2: H6.2
RPI_MISO: RPI1.21
RPI_MOSI: RPI1.19
RPI_RESET: RPI1.24
RPI_RXD: RPI1.8
RPI_SCLK: RPI1.23
RPI_TXD: RPI1.10
RPM_SENSOR: 
RXD_HARDWARE: 
RXD_SOFTSERIAL_5V: 
SCL: DS1.16 R26.1
SDA: DS1.15
temp_out_filtered: R14.2 R21.2 U2.14
TX_SOFTSERIAL_5V: 
TXD_HARDWARE: 
TXD_SOFTSERIAL_5V: 
USBASP_MISO: 
USBASP_MOSI: 
USBASP_RESET: 
USBASP_SCLK: 
Vbat: DS1.14 PB1.1
ZMPT101B_VOLT_SENSOR: 

## Silkscreen, mask and mechanical layers (free items; w line width, h text height)
Top Overlay:
  text "AXSeniors" at 1.491,107.99 h8
  text "IoT Board" at 0.135,96.054 h8
BoardOutline:
  the board outline again, w0.254

## Text inside footprints (layer, text, board x,y; h text height)
J1: Top Overlay "6" at 22.13,122.485 h1.5; Top Overlay "9" at 30.44,122.485 h1.5; Top Overlay "5" at 31.825,113.085 h1.5; Top Overlay "1" at 20.995,113.085 h1.5
PB1: Top Overlay "CR2032 3V" at 78.118,67.698 h1.52 r90; Top Overlay "+" at 82.018,64.298 h3 r90; Top Overlay "-" at 82.218,79.098 h3 r90
RPI1: Top Overlay "2" at 91.41,61.735 h1.27; Top Overlay "1" at 91.71,59.185 h1.27; Top Overlay "39" at 144.135,59.06 h1.27; Top Overlay "40" at 144.06,61.61 h1.27